# Altium PCB 净化端主控部分.PcbDoc
Units mm, origin at the board's own origin, x right, y up, seen from the top; angles counter-clockwise.
Board outline 101.6 x 155.32 mm, 2 copper layers (Top Layer, Bottom Layer); 78 components, 77 nets, 205 pads, 21 vias.
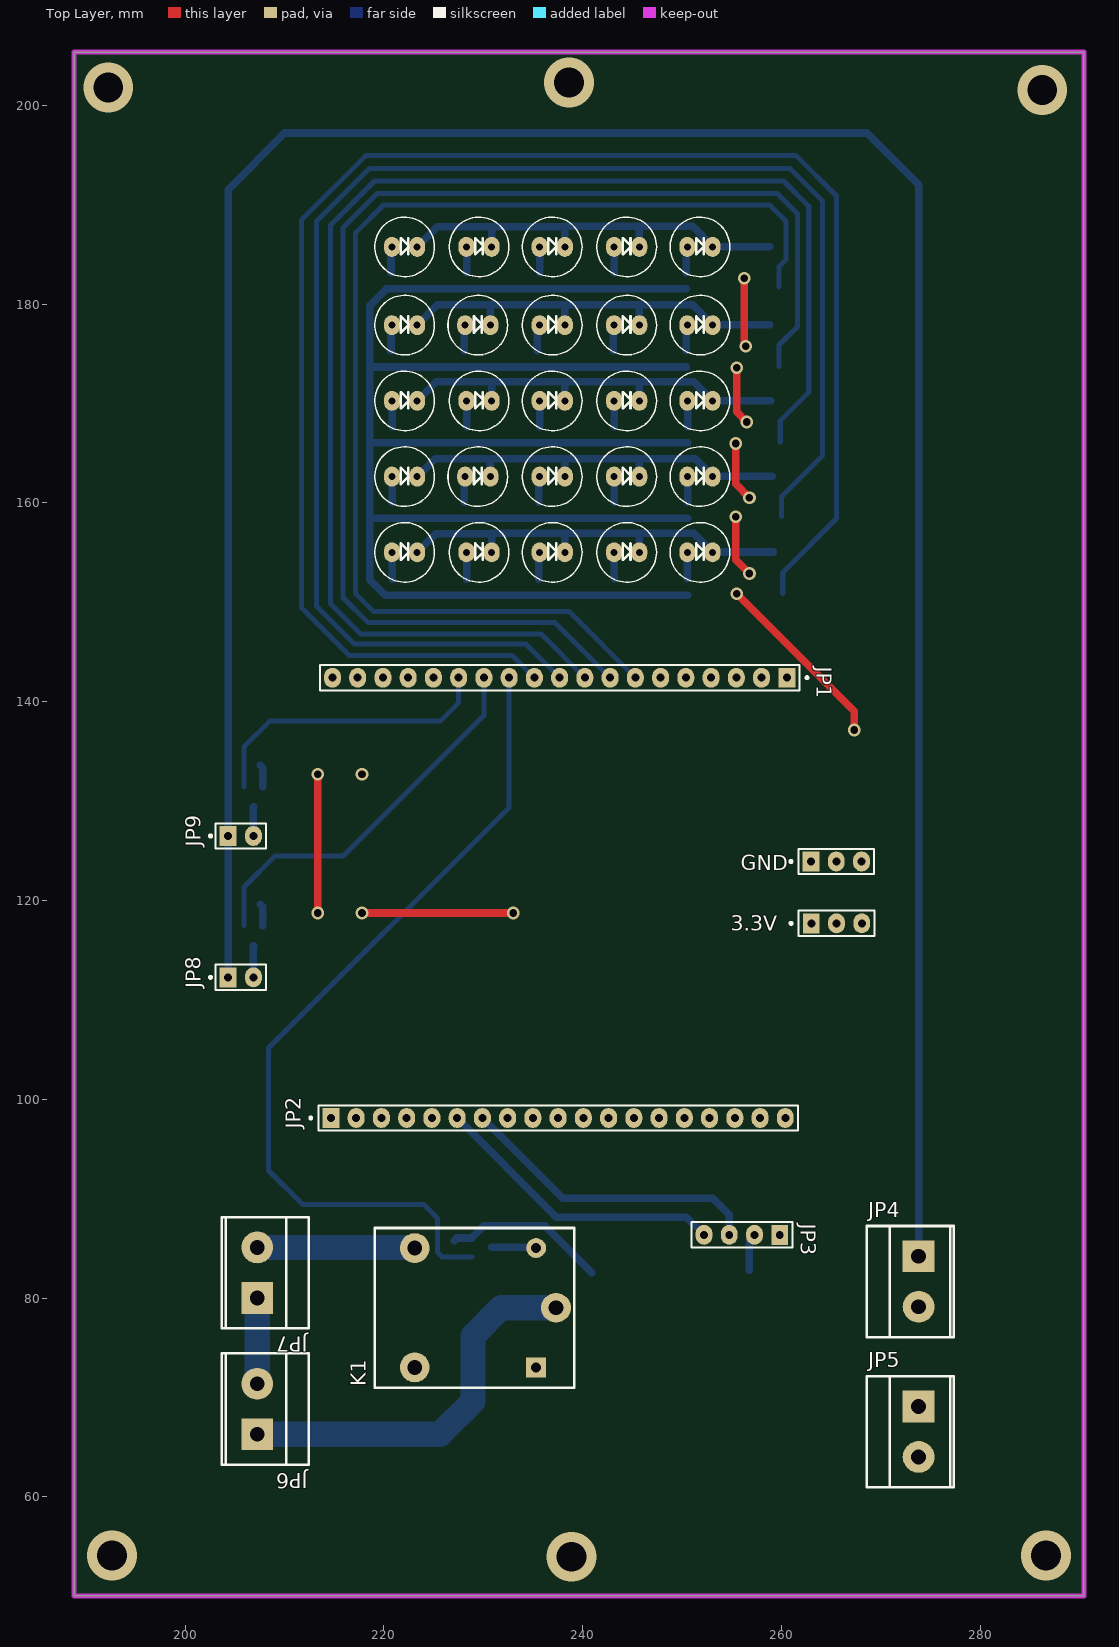
[diagram p0: Top Layer view]
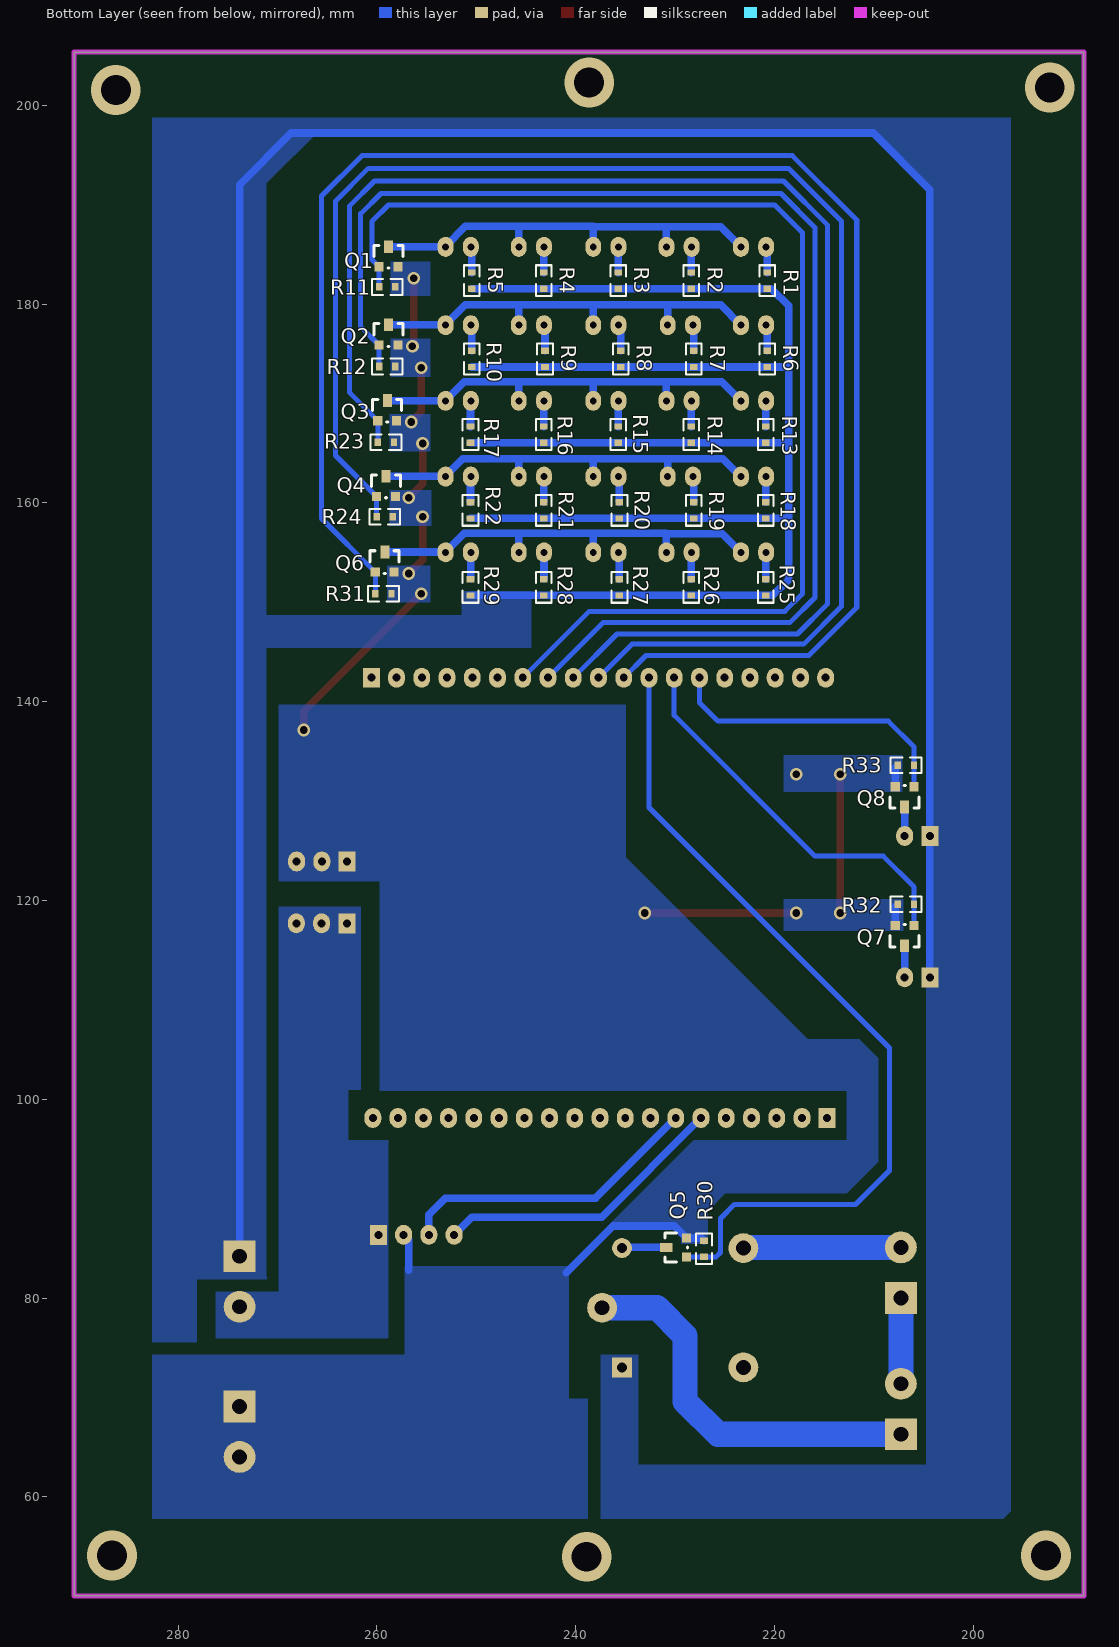
[diagram p1: Bottom Layer view, seen from below]

## Layer stack, top to bottom
Top Layer: signal copper 0.0356
Dielectric: dielectric 0.32, FR-4, Dk 4.8
Bottom Layer: signal copper 0.0356

## Board outline
188.849,205.359 290.449,205.359 290.449,50.038 188.849,50.038

## Design rules (kind name [scope] priority, off if disabled: settings)
Clearance [All] p1: gap=0.254
PlaneConnect [All] p1: planeconnectstyle=Direct reliefexpansion=0.508 reliefentries=2 reliefconductorwidth=0.254 reliefairgap=0.254
PolygonConnect [All] p1: connectstyle=Direct reliefconductorwidth=0.254 reliefentries=4 polygonreliefangle="90 Angle" airgapwidth=0.254
RoutingVias [All] p1: holewidth=0.711 width=1.27 viastyle="Through Hole" minholewidth=0.711 minwidth=1.27 maxholewidth=0.711 maxwidth=1.27
SolderMaskExpansion [All] p1: expansion=0.102
Width [All] p1: maxlimit=12.7 minlimit=0.254 preferedwidth=0.254
27 further rules are at their usual default settings.

## Classes and differential pairs
component class 净化端主控部分: 3.3V GND JP1 JP2 JP3 JP4 JP5 JP6 JP7 JP8 JP9 K1 Q1 Q2 Q3 Q4 Q5 Q6 Q7 Q8 R1 R2 R3 R4 R5 R6 R7 R8 R9 R10 R11 R12 R13 R14 R15 R16 R17 R18 R19 R20 R21 R22 R23 R24 R25 R26 R27 R28 R29 R30 R31 R32 R33 ""

## Components (designator, comment, footprint, x,y, rotation, side; value= is the part's Value field where it differs from the comment)
3.3V "Header 3" HDR1-3 263.017,117.704 r90 top locked (schematic designator 1)
D1 "LED" LED0.1-0.15 222.092,185.769 r0 top
D2 "LED" LED0.1-0.15 229.585,185.769 r0 top
D3 "LED" LED0.1-0.15 236.951,185.769 r0 top
D4 "LED" LED0.1-0.15 244.444,185.769 r0 top
D5 "LED" LED0.1-0.15 251.81,185.769 r0 top
D6 "LED" LED0.1-0.15 222.092,177.895 r0 top
D7 "LED" LED0.1-0.15 229.458,177.895 r0 top
D8 "LED" LED0.1-0.15 236.951,177.895 r0 top
D9 "LED" LED0.1-0.15 244.444,177.895 r0 top
D10 "LED" LED0.1-0.15 251.81,177.895 r0 top
D11 "LED" LED0.1-0.15 222.092,170.275 r0 top
D12 "LED" LED0.1-0.15 229.585,170.275 r0 top
D13 "LED" LED0.1-0.15 236.951,170.275 r0 top
D14 "LED" LED0.1-0.15 244.444,170.275 r0 top
D15 "LED" LED0.1-0.15 251.81,170.275 r0 top
D16 "LED" LED0.1-0.15 222.092,162.655 r0 top
D17 "LED" LED0.1-0.15 229.458,162.655 r0 top
D18 "LED" LED0.1-0.15 236.951,162.655 r0 top
D19 "LED" LED0.1-0.15 244.444,162.655 r0 top
D20 "LED" LED0.1-0.15 251.81,162.655 r0 top
D21 "LED" LED0.1-0.15 222.092,155.035 r0 top
D22 "LED" LED0.1-0.15 229.585,155.035 r0 top
D23 "LED" LED0.1-0.15 236.951,155.035 r0 top
D24 "LED" LED0.1-0.15 244.444,155.035 r0 top
D25 "LED" LED0.1-0.15 251.81,155.035 r0 top
GND "Header 3" HDR1-3 262.992,123.927 r90 top locked (schematic designator GND1)
JP1 "Header 19" HDR1-19 260.553,142.418 r270 top locked
JP2 "Header 19" HDR1-19 214.681,98.12 r90 top locked
JP3 "蓝牙" HDR1-4 259.842,86.36 r270 top
JP4 "电源" "HEADER 2P 5mm" 273.812,84.201 r0 top
JP5 "地" "HEADER 2P 5mm" 273.812,69.088 r0 top
JP6 "Header 2" "HEADER 2P 5mm" 207.264,66.294 r180 top
JP7 "Header 2" "HEADER 2P 5mm" 207.264,80.01 r180 top
JP8 "Header 2" HDR1-2 204.343,112.268 r90 top
JP9 "Header 2" HDR1-2 204.343,126.492 r90 top
K1 "Relay-SPDT" "SRD-12VDC - SL-C" 235.331,73.025 r90 top
Q1 "SI2302" SOT23 258.826,184.785 r180 bottom
Q2 "SI2302" SOT23 258.826,176.911 r180 bottom
Q3 "SI2302" SOT23 258.953,169.291 r180 bottom
Q4 "SI2302" SOT23 259.08,161.671 r180 bottom
Q5 "SI2302" SOT23 229.87,85.09 r90 bottom
Q6 "SI2302" SOT23 259.207,154.051 r180 bottom
Q7 "SI2302" SOT23 206.883,116.459 r0 bottom
Q8 "SI2302" SOT23 206.883,130.429 r0 bottom
R1 "" 0603R 220.726,182.372 r270 bottom
R2 "" 0603R 228.346,182.372 r270 bottom
R3 "" 0603R 235.712,182.372 r270 bottom
R4 "" 0603R 243.205,182.372 r270 bottom
R5 "" 0603R 250.444,182.372 r270 bottom
R6 "" 0603R 220.726,174.498 r270 bottom
R7 "" 0603R 228.092,174.498 r270 bottom
R8 "" 0603R 235.458,174.498 r270 bottom
R9 "" 0603R 243.078,174.498 r270 bottom
R10 "" 0603R 250.444,174.498 r270 bottom
R11 "100K" 0603R 258.953,181.737 r180 bottom
R12 "100K" 0603R 258.953,173.736 r180 bottom
R13 "" 0603R 220.853,166.878 r270 bottom
R14 "" 0603R 228.346,166.878 r270 bottom
R15 "" 0603R 235.712,166.878 r270 bottom
R16 "" 0603R 243.205,166.878 r270 bottom
R17 "" 0603R 250.571,166.878 r270 bottom
R18 "" 0603R 220.853,159.258 r270 bottom
R19 "" 0603R 228.092,159.258 r270 bottom
R20 "" 0603R 235.585,159.258 r270 bottom
R21 "" 0603R 243.205,159.258 r270 bottom
R22 "" 0603R 250.571,159.258 r270 bottom
R23 "100K" 0603R 259.08,166.116 r180 bottom
R24 "100K" 0603R 259.207,158.623 r180 bottom
R25 "" 0603R 220.853,151.511 r270 bottom
R26 "" 0603R 228.346,151.511 r270 bottom
R27 "" 0603R 235.585,151.511 r270 bottom
R28 "" 0603R 243.205,151.511 r270 bottom
R29 "" 0603R 250.571,151.511 r270 bottom
R30 "100K" 0603R 227.076,84.963 r90 bottom
R31 "100K" 0603R 259.334,150.876 r180 bottom
R32 "100K" 0603R 206.756,119.634 r0 bottom
R33 "100K" 0603R 206.756,133.604 r0 bottom

## Footprints (in the part's own frame and the unit in brackets; to place one, negate y for a bottom-side part, rotate by r counter-clockwise, add the part's x,y. Pads: shape width x height; smd on the part's side, far side on the other; paste and mask are expansions set on the pad)
0603R [mil]
  rect 25x30 smd: 1(-32,0) 2(32,0)
  silkscreen extent -61,-31 61,31
HDR1-2 [mm]
  rect 2x1.7 hole 0.8: 1(0,0)
  oval 2x1.7 hole 0.8: 2(0,-2.54)
  silkscreen extent -1.27,-3.81 1.27,1.9
HDR1-3 [mm]
  rect 2x1.7 hole 0.8: 1(0,0)
  oval 2x1.7 hole 0.8: 2(0,-2.54) 3(0,-5.08)
  silkscreen extent -1.27,-6.35 1.27,2.15
HDR1-4 [mm]
  rect 2x1.7 hole 0.8: 1(0,0)
  oval 2x1.7 hole 0.8: 2(0,-2.54) 3(0,-5.08) 4(0,-7.62)
  silkscreen extent -1.27,-8.89 1.27,1.27
HDR1-19 [mm]
  rect 2x1.7 hole 0.8: 1(0,0)
  oval 2x1.7 hole 0.8: 2(0,-2.54) 3(0,-5.08) 4(0,-7.62) 5(0,-10.16) 6(0,-12.7) 7(0,-15.24) 8(0,-17.78) 9(0,-20.32) 10(0,-22.86) 11(0,-25.4) 12(0,-27.94) 13(0,-30.48) 14(0,-33.02) 15(0,-35.56) 16(0,-38.1) 17(0,-40.64) 18(0,-43.18) 19(0,-45.72)
  silkscreen extent -1.27,-46.99 1.27,2.16
"HEADER 2P 5mm" [mm]
  rect 3.2x3.2 hole 1.5: 1(0,0)
  round 3.2 hole 1.5: 2(0,-5.08)
  silkscreen extent -5.21,-8.13 3.56,3.05
LED0.1-0.15 [mm]
  oval 1.6x2 hole 0.7: 1(-1.27,0) 2(1.27,0)
  silkscreen extent -3,-3 3,3
SOT23 [mil]
  rect 36x36 smd: 1(-37.5,-40) 2(37.5,-40)
  rect 36x50 smd: 3(0.5,40)
  silkscreen extent -58,-45 58,45
"SRD-12VDC - SL-C" [mm]
  rect 2x2 hole 1: 1(0,0)
  round 2 hole 1: 2(12,0)
  round 3 hole 1.5: 3(6,-2) 4(12,12.217) 5(0,12.217)
  silkscreen extent -2.03,-3.84 14.02,16.23

## Part data
3.3V GND: "Header, 3-Pin"
D1 D2 D3 D4 D5 D6 D7 D8 D9 D10 D11 D12 D13 D14 D15 D16 D17 D18 D19 D20 D21 D22 D23 D24 D25: "Typical RED, GREEN, YELLOW, AMBER GaAs LED"
JP1 JP2: "Header, 19-Pin"
JP3: library part "Header 4", "Header, 4-Pin"
JP4 JP5: library part "Header 2", "Header, 2-Pin"
JP6 JP7 JP8 JP9: "Header, 2-Pin"
K1: "Single-Pole Dual-Throw Relay"
Q1 Q2 Q3 Q4 Q5 Q6 Q7 Q8: library part "SI2302 A2SHB", "N-Channel MOSFET"
R1 R2 R3 R4 R5 R6 R7 R8 R9 R10 R13 R14 R15 R16 R17 R18 R19 R20 R21 R22 R25 R26 R27 R28 R29: library part Res, "Resistor"
R11 R12 R23 R24 R30 R31 R32 R33: library part R-10K, "resistor"

## Via types
v1: diameter 1.27, hole 0.762, Top Layer to Bottom Layer, 15 vias
v2: diameter 5, hole 3, Top Layer to Bottom Layer, 6 vias

## Nets (pads, with @x,y where several pads share a name; then routed paths per layer and width w, separated by ;. In a path a pad name is that pad's centre, name@x,y a point inside that pad or via, vN(x,y) a via of type N, cw(c..) or ccw(c..) an arc to the next point about the centre after c; other vN are vias at no path point)
3.3V: 3.3V.1 3.3V.2 3.3V.3 JP3.1 JP4.2
12V: JP4.1 JP8.1 JP9.1 K1.1 R1.2 R2.2 R3.2 R4.2 R5.2 R6.2 R7.2 R8.2 R9.2 R10.2 R13.2 R14.2 R15.2 R16.2 R17.2 R18.2 R19.2 R20.2 R21.2 R22.2 R25.2 R26.2 R27.2 R28.2 R29.2 | length 449
  Bottom Layer w0.762: JP8.1 JP9.1 204.343,191.516 210.058,197.231 268.605,197.231 273.812,192.024 JP4.1 ; 218.821,158.445 R19.2 R20.2 R21.2 R22.2 ; 218.821,166.065 R14.2 R15.2 R16.2 R17.2 ; 218.821,173.685 R7.2 R8.2 R9.2 R10.2 ; R5.2 R4.2 R3.2 R2.2 R1.2 220.294,181.559 218.567,179.832 218.567,152.273 220.142,150.698 R25.2 R26.2 R27.2 R28.2 R29.2
GND: GND.1 GND.2 GND.3 JP3.2 JP5.1 JP5.2 Q1.2 Q2.2 Q3.2 Q4.2 Q5.2 Q6.2 Q7.2 Q8.2 R11.2 R12.2 R23.2 R24.2 R30.2 R31.2 R32.2 R33.2 | length 97.5
  Top Layer w0.762: v1(213.36,118.745) v1(213.36,132.715) ; v1(217.805,118.745) v1(233.045,118.745) ; v1(255.397,158.623) 255.397,154.305 v1(256.794,152.908) ; v1(255.397,165.989) 255.397,161.925 v1(256.794,160.528) ; v1(255.524,150.876) 267.335,139.065 v1(267.335,137.16) ; v1(255.524,173.609) 255.524,169.164 v1(256.54,168.148) ; v1@256.286,175.895 v1(256.286,182.626)
  Bottom Layer w0.762: R32.2 207.835,119.367 Q7.2 ; R33.2 207.835,133.337 Q8.2 ; R30.2 227.343,86.042 Q5.2 230.06,87.249 236.22,87.249 240.919,82.55 ; 256.794,82.804 256.794,85.852 JP3.2
  other v1: 217.805,132.715 256.413,175.768
NetD1_1: D1.1 R1.1 | length 2.6
  Bottom Layer w0.762: R1.1 220.726,185.673 D1.1
NetD1_2: D1.2 D2.2 D3.2 D4.2 D5.2 Q1.3 | length 43.2
  Bottom Layer w0.762: D1.2 225.394,187.801 230.855,187.801 ; D2.2 230.855,187.801 ; D3.2 238.221,187.801 230.855,187.801 ; 238.221,187.833 251.08,187.833 253.112,185.801 Q1.3 ; D4.2 245.714,187.737
NetD2_1: D2.1 R2.1 | length 2.6
  Bottom Layer w0.762: D2.1 228.346,185.738 R2.1
NetD3_1: D3.1 R3.1 | length 2.6
  Bottom Layer w0.762: D3.1 235.712,185.738 R3.1
NetD4_1: D4.1 R4.1 | length 2.6
  Bottom Layer w0.762: D4.1 243.205,185.738 R4.1
NetD5_1: D5.1 R5.1 | length 2.6
  Bottom Layer w0.762: R5.1 250.444,185.673 D5.1
NetD6_1: D6.1 R6.1 | length 2.6
  Bottom Layer w0.762: R6.1 220.726,177.799 D6.1
NetD6_2: D6.2 D7.2 D8.2 D9.2 D10.2 Q2.3 | length 43.2
  Bottom Layer w0.762: D6.2 225.395,179.928 230.728,179.928 D7.2 ; 230.728,179.959 238.221,179.959 ; D8.2 238.221,179.959 ; D9.2 245.714,179.863 ; Q2.3 253.112,177.927 251.08,179.959 238.221,179.959
NetD7_1: D7.1 R7.1 | length 2.5
  Bottom Layer w0.762: R7.1 D7.1@228.092,177.799
NetD8_1: D8.1 R8.1 | length 2.4
  Bottom Layer w0.762: R8.1 D8.1@235.458,177.672
NetD9_1: D9.1 R9.1 | length 2.5
  Bottom Layer w0.762: R9.1 D9.1@243.078,177.799
NetD10_1: D10.1 R10.1 | length 2.5
  Bottom Layer w0.762: R10.1 D10.1@250.444,177.799
NetD11_1: D11.1 R13.1 | length 2.6
  Bottom Layer w0.762: R13.1 D11.1@220.853,170.244
NetD11_2: D11.2 D12.2 D13.2 D14.2 D15.2 Q3.3 | length 42.9
  Bottom Layer w0.762: D11.2 225.299,172.212 ; 225.33,172.181 230.855,172.181 ; D12.2 230.855,172.181 ; D13.2 238.221,172.181 230.855,172.181 ; 238.221,172.212 251.207,172.212 253.112,170.307 Q3.3 ; D14.2 245.714,172.181
NetD12_1: D12.1 R14.1 | length 2.6
  Bottom Layer w0.762: R14.1 D12.1@228.346,170.244
NetD13_1: D13.1 R15.1 | length 2.6
  Bottom Layer w0.762: R15.1 D13.1@235.712,170.244
NetD14_1: D14.1 R16.1 | length 2.6
  Bottom Layer w0.762: R16.1 D14.1@243.205,170.244
NetD15_1: D15.1 R17.1 | length 2.6
  Bottom Layer w0.762: R17.1 D15.1@250.571,170.244
NetD16_1: D16.1 R18.1 | length 2.6
  Bottom Layer w0.762: R18.1 D16.1@220.853,162.624
NetD16_2: D16.2 D17.2 D18.2 D19.2 D20.2 Q4.3 | length 42.6
  Bottom Layer w0.762: D16.2 225.172,164.465 230.728,164.465 ; D17.2 230.728,164.465 ; D18.2 238.221,164.465 ; D19.2 245.714,164.434 ; Q4.3 253.112,162.687 251.334,164.465 238.221,164.465 ; 230.728,164.465 238.221,164.465
NetD17_1: D17.1 R19.1 | length 2.5
  Bottom Layer w0.762: R19.1 D17.1@228.092,162.559
NetD18_1: D18.1 R20.1 | length 2.5
  Bottom Layer w0.762: R20.1 D18.1@235.585,162.559
NetD19_1: D19.1 R21.1 | length 2.6
  Bottom Layer w0.762: R21.1 D19.1@243.205,162.624
NetD20_1: D20.1 R22.1 | length 2.6
  Bottom Layer w0.762: R22.1 D20.1@250.571,162.624
NetD21_1: D21.1 R25.1 | length 2.7
  Bottom Layer w0.762: D21.1 220.853,155.004 R25.1
NetD21_2: D21.2 D22.2 D23.2 D24.2 D25.2 Q6.3 | length 43.1
  Bottom Layer w0.762: D21.2 225.236,156.909 230.855,156.909 D22.2 ; 230.855,156.94 238.221,156.94 D23.2 ; 238.221,156.972 251.207,156.972 253.112,155.067 Q6.3 ; D24.2 245.714,156.941
NetD22_1: D22.1 R26.1 | length 2.7
  Bottom Layer w0.762: D22.1 228.346,155.004 R26.1
NetD23_1: D23.1 R27.1 | length 2.8
  Bottom Layer w0.762: R27.1 235.585,154.939 D23.1
NetD24_1: D24.1 R28.1 | length 2.7
  Bottom Layer w0.762: R28.1@243.174,152.355 D24.1
NetD25_1: D25.1 R29.1 | length 2.7
  Bottom Layer w0.762: R29.1@250.54,152.355 D25.1
NetJP6_1: JP6.1 K1.3 | length 39.2
  Bottom Layer w2.54: JP6.1 225.679,66.294 228.981,69.596 228.981,76.2 231.806,79.025 K1.3
NetJP6_2: JP6.2 JP7.1 | length 8.6
  Bottom Layer w2.54: JP6.2 JP7.1
NetJP7_2: JP7.2 K1.4 | length 15.8
  Bottom Layer w2.54: JP7.2 K1.4@223.049,85.09
NetJP8_2: JP8.2 Q7.3 | length 3.2
  Bottom Layer w0.762: JP8.2 206.883,115.43 Q7.3
NetJP9_2: JP9.2 Q8.3 | length 2.9
  Bottom Layer w0.762: JP9.2 206.883,129.4 Q8.3
NetK1_2: K1.2 Q5.3 | length 4.5
  Bottom Layer w0.762: Q5.3 235.253,85.103 K1.2
PA0: JP1.7 Q1.1 R11.1 | length 120
  Bottom Layer w0.508: JP1.7 238.633,149.098 218.948,149.098 217.17,150.876 217.17,187.198 219.964,189.992 258.826,189.992 260.477,188.341 260.477,184.468 Q1.1 ; R11.1 Q1.1@259.766,183.756
PA1: JP1.8 Q2.1 R12.1 | length 131.5
  Bottom Layer w0.508: JP1.8 237.236,147.955 218.44,147.955 215.9,150.495 215.9,187.706 219.329,191.135 259.588,191.135 261.62,189.103 261.62,177.737 Q2.1 259.766,175.882 R12.1
PA2: JP1.9 Q3.1 R23.1 | length 142.8
  Bottom Layer w0.508: JP1.9 235.839,146.812 217.678,146.812 214.63,149.86 214.63,187.96 219.075,192.405 260.223,192.405 262.763,189.865 262.763,171.132 Q3.1 259.893,168.262 R23.1
PA3: JP1.10 Q4.1 R24.1 | length 154.1
  Bottom Layer w0.508: JP1.10 234.315,145.796 217.043,145.796 213.233,149.606 213.233,188.341 218.567,193.675 260.858,193.675 264.16,190.373 264.16,164.782 Q4.1 260.02,160.642 R24.1
PA4: JP1.11 Q6.1 R31.1 | length 165.8
  Bottom Layer w0.508: JP1.11 232.918,144.653 216.535,144.653 211.709,149.479 211.709,188.468 218.186,194.945 261.493,194.945 265.557,190.881 265.557,158.433 Q6.1 260.147,153.022 R31.1
PA5: JP1.12 Q5.1 R30.1 | length 85.7
  Bottom Layer w0.508: Q5.1 227.089,84.138 R30.1 225.857,84.15 225.425,84.582 225.425,88.011 224.028,89.408 211.836,89.408 208.407,92.837 208.407,105.156 232.613,129.362 JP1.12
PA6: JP1.13 Q7.1 R32.1 | length 39
  Bottom Layer w0.508: Q7.1 205.93,121.349 209.042,124.46 215.9,124.46 230.073,138.633 JP1.13
PA7: JP1.14 Q8.1 R33.1 | length 30
  Bottom Layer w0.508: Q8.1 205.93,133.591 R33.1 205.943,135.458 208.534,138.049 225.679,138.049 227.533,139.903 JP1.14
PA8: JP2.5
PA11: JP2.8
PA12: JP2.9
PA13: JP2.10
PA14: JP2.11
PA15: JP2.12
PB0: JP1.15
PB1: JP1.16
PB2: JP1.17
PB3: JP2.13
PB4: JP2.14
PB5: JP2.15
PB6: JP2.16
PB7: JP2.17
PB8: JP2.18
PB9: JP2.19
PB10: JP1.18
PB11: JP1.19
PB12: JP2.1
PB13: JP2.2
PB14: JP2.3
PB15: JP2.4
PC13: JP1.2
PC14: JP1.3
PC15: JP1.4
PD0: JP1.5
PD1: JP1.6
RXD: JP2.6 JP3.4 | length 29.7
  Bottom Layer w0.762: JP2.6 237.363,88.138 250.444,88.138 JP3.4
TXD: JP2.7 JP3.3 | length 30.9
  Bottom Layer w0.762: JP2.7 237.998,90.043 253.111,90.043 254.762,88.392 JP3.3
VBAT: JP1.1
pads on no net: K1.5
copper on no net:
  other v2: 238.887,53.975 192.659,54.102 286.639,54.102 286.258,201.549 192.278,201.803 238.633,202.311

## Polygon pours and split planes (outlines as drawn)
GND on Bottom Layer "Top Layer-No Net" (solid, remove dead copper, pour order 48): 216.662,106.045 211.455,106.045 209.55,104.14 209.55,93.726 212.725,90.551 223.774,90.551 224.917,90.551 226.568,88.9 226.695,88.773 226.695,85.471 229.362,85.471 229.362,86.106 229.362,86.233 229.87,86.741 229.997,86.868 236.601,86.868 236.601,87.376 228.092,95.885 212.725,95.885 212.725,100.838 216.662,100.838
GND on Bottom Layer "Top Layer-No Net" (solid, remove dead copper, pour order 46): 269.748,121.92 269.875,122.047 269.875,139.7 234.95,139.7 234.95,128.524 234.95,124.333 220.472,109.855 213.995,103.378 213.995,100.838 259.715,100.838 259.715,121.92
GND on Bottom Layer "Top Layer-No Net" (solid, remove dead copper, pour order 42): 207.01,120.142 219.075,120.142 219.075,116.967 207.01,116.967
GND on Bottom Layer "Top Layer-No Net" (solid, remove dead copper, pour order 40): 207.137,130.937 207.137,134.62 219.075,134.62 219.075,130.937
12V on Bottom Layer "Top Layer-No Net" (solid, remove dead copper, pour order 36): 244.475,151.13 244.475,145.415 263.398,145.415 271.653,145.415 271.653,148.717 251.46,148.717 251.46,151.13
12V on Bottom Layer "Top Layer-No Net" (solid, remove dead copper, pour order 34): 276.225,81.915 278.13,81.915 278.13,75.565 282.575,75.565 282.575,198.755 261.874,198.755 196.215,198.755 196.215,194.818 207.391,194.818 209.804,197.231 210.185,196.85 269.113,196.85 273.177,196.85 275.844,194.183 276.225,193.802 276.225,82.032
GND on Bottom Layer "Top Layer-No Net" (solid, remove dead copper, pour order 32): 238.76,57.785 250.571,57.785 281.94,57.785 282.575,57.785 282.575,74.295 259.207,74.295 257.175,74.295 257.175,83.185 240.665,83.185 240.665,69.85 238.76,69.85
12V on Bottom Layer "Top Layer-No Net" (solid, remove dead copper, pour order 30): 233.68,74.295 237.49,74.295 237.49,65.532 237.49,60.325 237.49,57.785 196.977,57.785 196.85,57.912 196.215,58.547 196.215,193.929 196.215,195.072 199.136,197.993 199.898,198.755 273.177,198.755 273.812,198.755 276.225,196.342 276.225,192.913 270.383,192.913 266.319,196.977 266.192,196.85 210.185,196.85 204.724,191.389 204.724,186.69 204.724,63.246 215.011,63.246 233.68,63.246
12V on Bottom Layer "Top Layer-No Net" (solid, remove dead copper, pour order 22): 276.225,81.915 276.225,192.405 276.225,194.818 273.685,197.358 273.431,197.612 266.319,197.612 266.319,196.977 269.367,193.929 271.145,192.151 271.145,115.824 271.145,82.169 270.891,81.915
3.3V on Bottom Layer "Top Layer-No Net" (solid, remove dead copper, pour order 20): 276.225,80.645 276.225,75.946 258.953,75.946 258.826,76.073 258.826,87.376 258.826,95.758 258.699,95.885 262.89,95.885 262.89,100.965 261.62,100.965 261.62,119.38 269.875,119.38 269.875,80.645
GND on Bottom Layer "Top Layer-No Net" (solid, remove dead copper, pour order 14): 254.635,153.67 258.953,153.67 258.953,149.987 254.635,149.987
GND on Bottom Layer "Top Layer-No Net" (solid, remove dead copper, pour order 12): 254.508,161.29 258.699,161.29 258.699,157.734 254.635,157.734 254.508,157.734
GND on Bottom Layer "Top Layer-No Net" (solid, remove dead copper, pour order 10): 254.635,184.277 258.572,184.277 258.572,180.848 254.635,180.848
GND on Bottom Layer "Top Layer-No Net" (solid, remove dead copper, pour order 8): 254.635,176.53 258.572,176.53 258.572,172.72 254.635,172.72 254.635,176.53
GND on Bottom Layer "Top Layer-No Net" (solid, remove dead copper, pour order 6): 254.635,168.91 258.699,168.91 258.699,165.227 254.635,165.227

## Keep-outs
Keep-Out Layer:
  the board outline again, w0.508